# Altium PCB CF_PCB.PcbDoc (part 1 of 2) (continued)
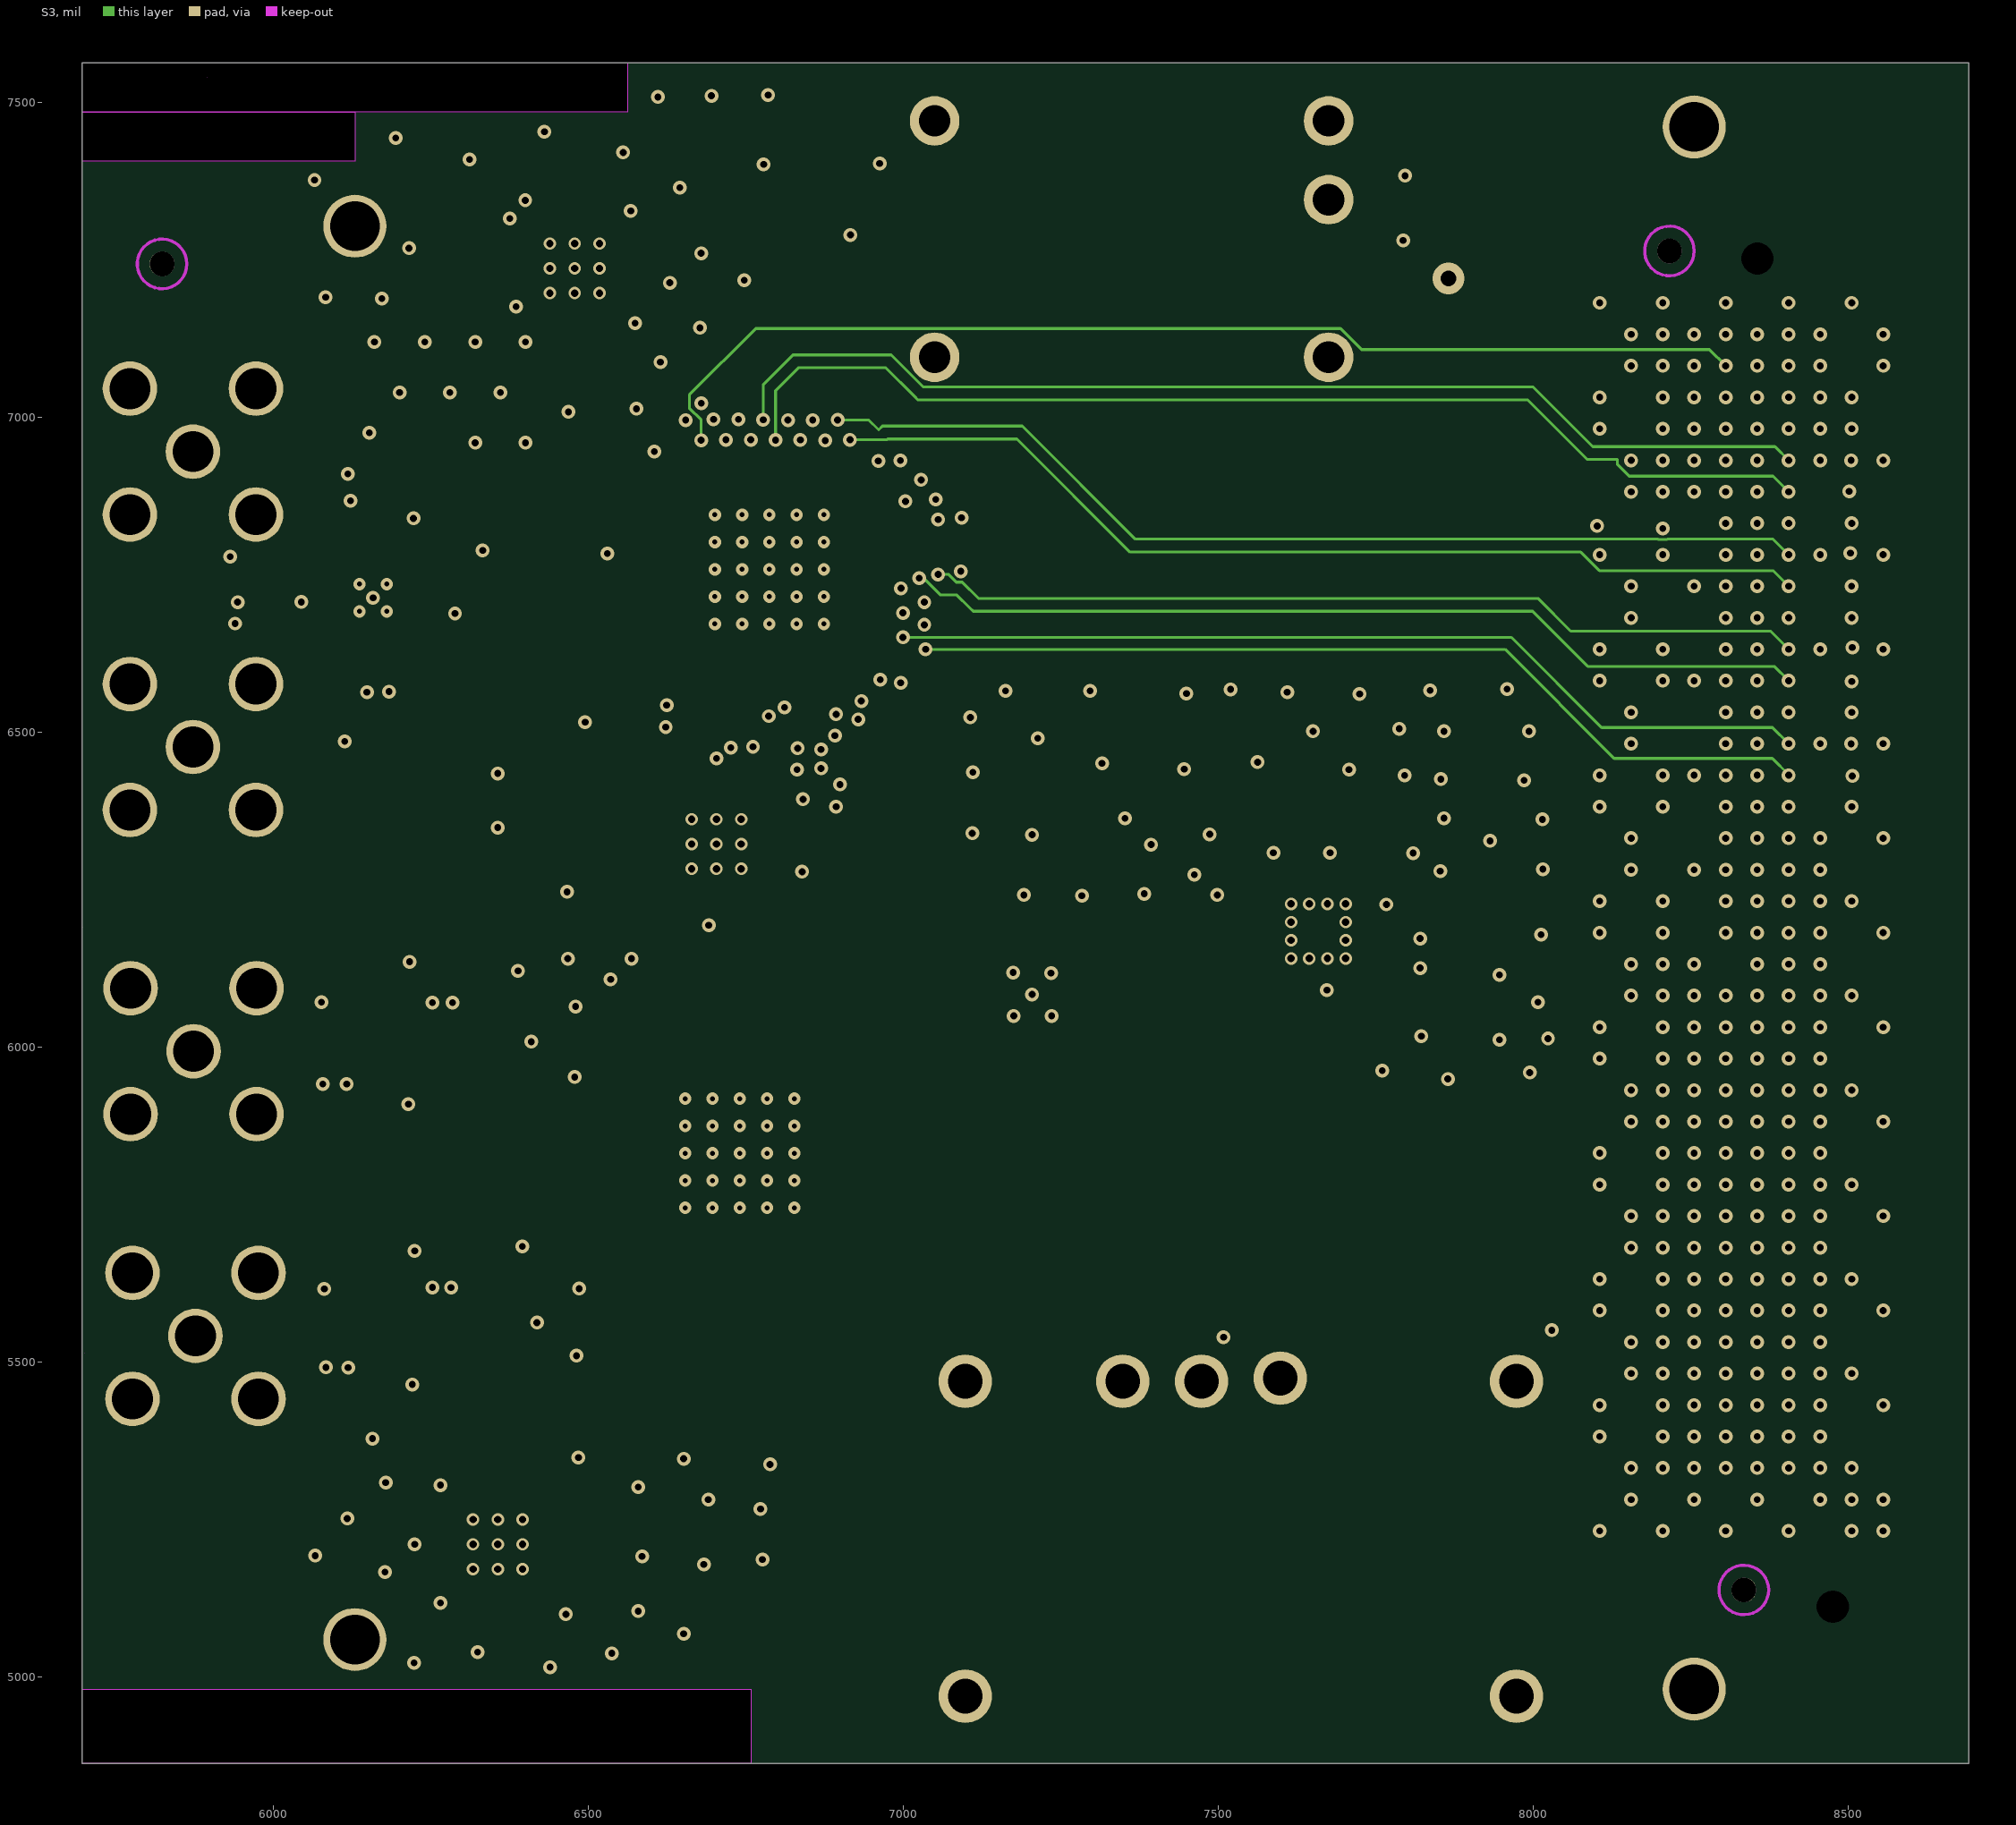
[diagram p8: S3]
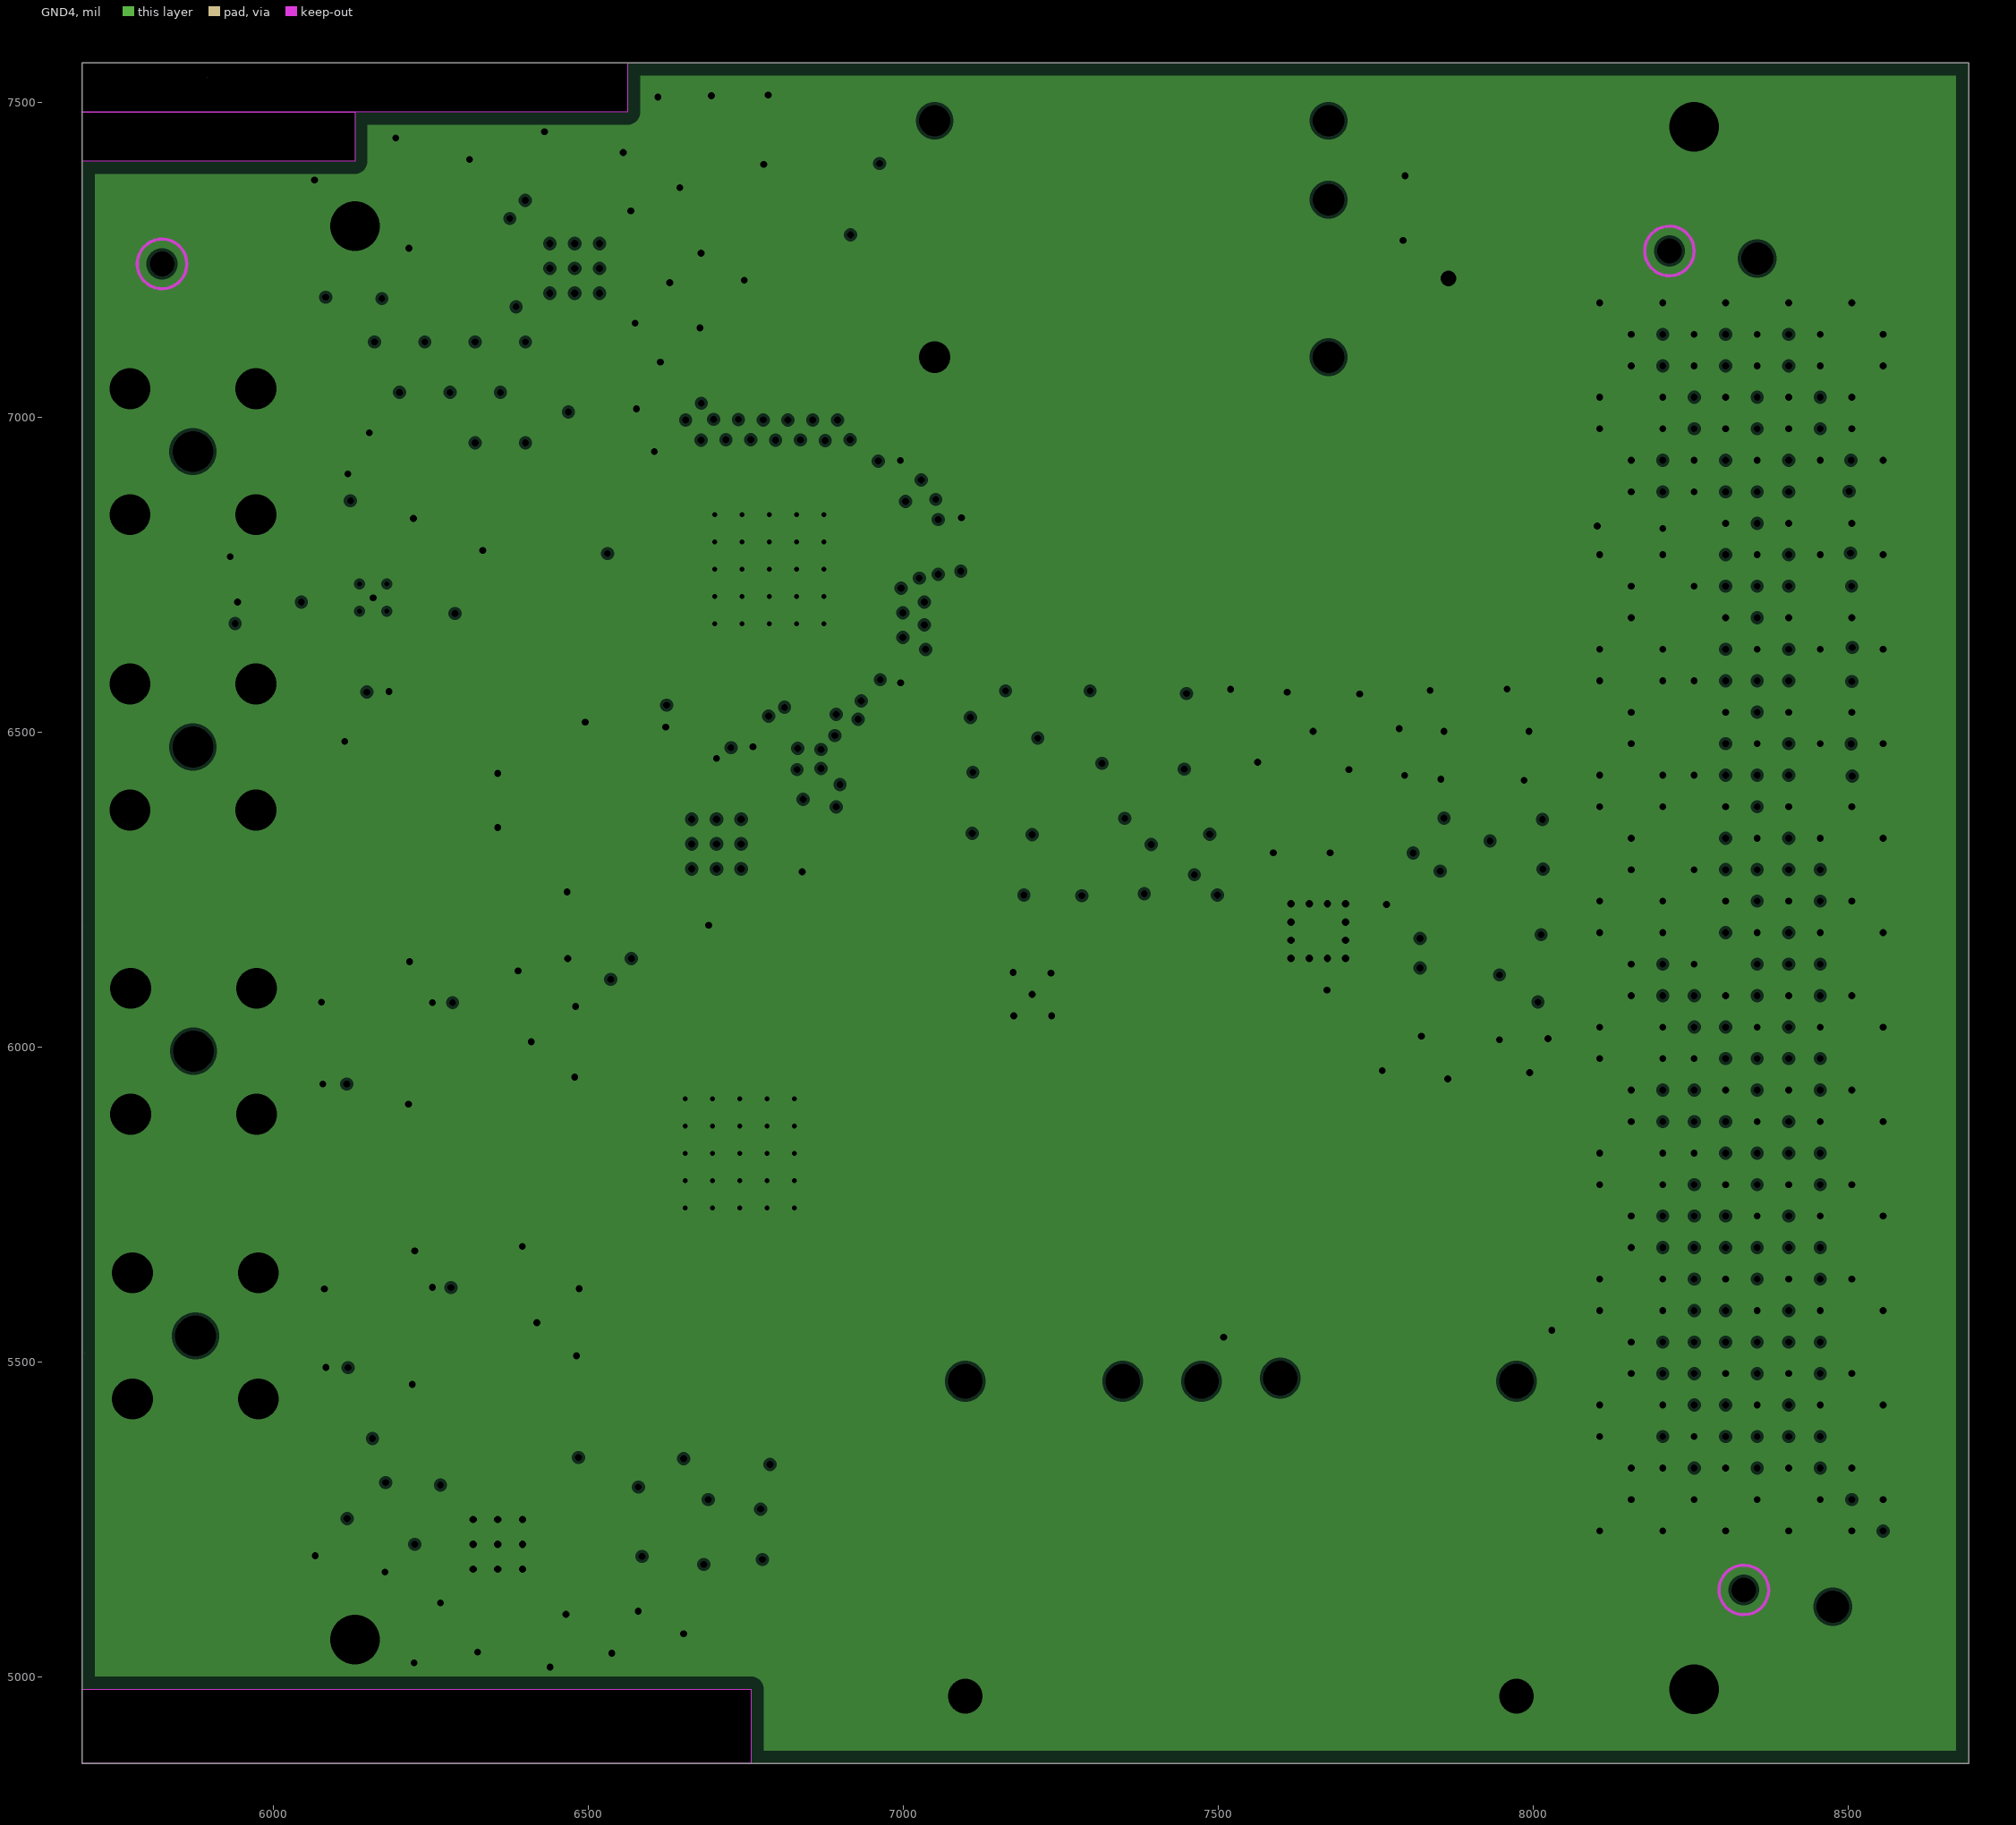
[diagram p9: GND4, clearances drawn from the general rule]

## Layer stack, top to bottom
Top Solder: solder mask 0.4, Solder Resist, Dk 3.5
S1: signal copper 1.4
Dielectric 1: core 5.5, FR-4, Dk 4.6
GND1: plane copper 1.4, net GND
Dielectric 16: prepreg 7, FR-4, Dk 4.6
S2: signal copper 1.4
Dielectric 21: core 5.5, FR-4, Dk 4.6
GND2: plane copper 1.4, net GND
Dielectric 19: prepreg 2.5, FR-4, Dk 4.6
1V8: plane copper 1.4, net 1V8
Dielectric 20: core 6, FR-4, Dk 4.6
SplittedPower: plane copper 1.4, net (Multiple Nets)
Dielectric 23: prepreg 2.5, FR-4, Dk 4.6
GND3: plane copper 1.4, net GND
Dielectric 24: core 5.5, Dk 4.6
S3: signal copper 1.4
Dielectric 22: prepreg 7, FR-4, Dk 4.6
GND4: plane copper 1.4, net GND
Dielectric 18: core 5.5, FR-4, Dk 4.6
S4: signal copper 1.4
Bottom Solder: solder mask 0.4, Solder Resist, Dk 3.5

## Board outline
5696,4863 8691,4863 8691,7563 5696,7563
cut-out: 5696,4981 6758,4981 6758,4863 5696,4863
cut-out: 5697,6191
cut-out: 5700,5515
cut-out: 5696,7485 5696,7563 6562,7563 6562,7485
cut-out: 5696,7407 5696,7485 6129,7485 6129,7407
cut-out: 5894,7540
cut-out: 0,4000

## Design rules (kind name [scope] priority, off if disabled: settings)
Clearance Clearance_2 [All] p1: gap=4 ignorepadtopadclearanceinfootprint=FALSE except(0: Arc-Hole Track-Hole SMDPad-Hole THPad-Hole Via-Hole Fill-Hole Poly-Hole Region-Hole Text-Hole)
Clearance Clearance_FMC [WithinRoom('FMC')] p2: gap=4 ignorepadtopadclearanceinfootprint=FALSE
Clearance [All] p3: gap=4 ignorepadtopadclearanceinfootprint=FALSE except(0: Arc-Hole Track-Hole SMDPad-Hole THPad-Hole Via-Hole Fill-Hole Poly-Hole Region-Hole Text-Hole)
DiffPairsRouting [All] p1: maxlimit=20 minlimit=4 mostfreqgap=16 toplayer_minwidth=3 toplayer_maxwidth=15 toplayer_prefwidth=8 midlayer1_minwidth=3 midlayer1_maxwidth=15 midlayer1_prefwidth=4.5 midlayer2_minwidth=3 midlayer2_maxwidth=15 midlayer2_prefwidth=4.5 bottomlayer_minwidth=3 bottomlayer_maxwidth=15 bottomlayer_prefwidth=8 maxuncoupledlength=500
FanoutControl [WithinRoom('FMC')] p1: bgadir=Out bgaviamode=Centered fanoutstyle=Staggered fanoutdirection=InOnly viagrid=1
FanoutControl Fanout_BGA [IsBGA] p2: bgadir=Out bgaviamode=Centered fanoutstyle=Auto fanoutdirection=Alternating viagrid=1 // Fanout_BGA (Default Rule)
FanoutControl Fanout_Default [All] p3: bgadir=NW bgaviamode=Centered fanoutstyle=BGA fanoutdirection=Alternating viagrid=1 // Fanout_Default (Default Rule)
HoleSize [All] p1: absolutevalues=TRUE maxlimit=100 minlimit=3 maxpercent=80.000 minpercent=20.000
MinimumSolderMaskSliver [All] p1: minsoldermaskwidth=5
PlaneClearance [All] p1: clearance=5
PlaneConnect [All] p1: pad.planeconnectstyle=Relief pad.reliefexpansion=5 pad.reliefentries=4 pad.reliefconductorwidth=5 pad.reliefairgap=5 via.planeconnectstyle=Direct via.reliefexpansion=5 via.reliefentries=4 via.reliefconductorwidth=5 via.reliefairgap=5
PolygonConnect [All] p1: connectstyle=Direct reliefconductorwidth=10 reliefentries=4 polygonreliefangle="90 Angle" airgapwidth=10
RoutingVias RoutingVias_1 [WithinRoom('FMC')] p1: holewidth=11 width=22 viastyle="Through Hole" minholewidth=11 minwidth=22 maxholewidth=11 maxwidth=22
RoutingVias [All] p2: holewidth=11 width=22 viastyle="Through Hole" minholewidth=4 minwidth=12 maxholewidth=50 maxwidth=50
SilkToSilkClearance [All] p1: silktosilkclearance=0
SilkToSolderMaskClearance [IsPad] p1: minsilkscreentomaskgap=3 clearancetoexposedcopper=FALSE
SolderMaskExpansion [All] p1: expansion=4
Width Width_FMC [WithinRoom('FMC')] p1: maxlimit=50 minlimit=3 preferedwidth=9 midlayer1_prefwidth=4.5 midlayer2_prefwidth=4.5 minimp=50.000000 maximp=50.000000 favimp=50.000000
Width [All] p2: maxlimit=50 minlimit=3 preferedwidth=9 midlayer1_prefwidth=4.5 midlayer2_prefwidth=4.5 minimp=50.000000 maximp=50.000000 favimp=50.000000
18 further rules are at their usual default settings.

## Classes and differential pairs
component class CF_Title: FID1 FID2 MH1 MH2 MH3
component class CF_FMC_ABC: R66
component class CF_DAC: C65 C66 C67 C68 C69 C70 C71 C72 C73 C74 C75 C76 C77 C78 C79 C80 C81 L7 R30 R31 R32 R33 R34 R35 R36 R37 R38 R39 R40 R41 R42 R43 R44 R45 R46 R47 R48 R49 U9
component class CF_DAC_FILTER: C82 C83 C84 C85 C86 C87 C88 C89 C90 C91 C92 C93 C94 C95 C96 C97 C98 C99 C100 C101 C102 C103 C104 C105 J3 J4 L8 L9 L10 L11 R50 R51 R52 R53 R54 R55 R56 R57 R58 R59 R60 R61 R62 R63 R64 R65 U10 U11
component class CF_ALIM: C44 C45 C46 C47 C48 C49 C50 C51 C52 C53 C54 C55 C56 C57 C58 C59 C60 C61 C62 C63 C64 R21 R22 R25 R26 R27 R28 R29 U3 U4 U5 U6 U7 U8
component class CF_ADC: C1 C2 R1 R2 R3 R4 R5 R6 U1
component class CF_ADC_Supply: C27 C28 C29 C30 C31 C32 C34 C35 C36 C37 C38 C39 C40 C41 C42 C43 L5
component class CF_ADC_filter: C3 C4 C5 C6 C7 C8 C9 C10 C11 C12 C13 C14 C15 C16 C17 C18 C19 C20 C21 C22 C23 C24 C25 C26 J1 J2 L1 L2 L3 L4 R7 R8 R9 R10 R11 R12 R13 R14 R15 R16 R17 R18 R19 R20 U2
differential pair REFCLK: +REFCLK_P -REFCLK_N
differential pair DAC_OUT1: +DAC_OUT1_P -DAC_OUT1_N
differential pair DAC_OUT0: +DAC_OUT0_P -DAC_OUT0_N
differential pair DAC_FRAME: +DAC_FRAME_P -DAC_FRAME_N
differential pair DAC_DCI: +DAC_DCI_P -DAC_DCI_N
differential pair DAC_D7: +DAC_D7_P -DAC_D7_N
differential pair DAC_D6: +DAC_D6_P -DAC_D6_N
differential pair DAC_D5: +DAC_D5_P -DAC_D5_N
differential pair DAC_D4: +DAC_D4_P -DAC_D4_N
differential pair DAC_D3: +DAC_D3_P -DAC_D3_N
differential pair DAC_D2: +DAC_D2_P -DAC_D2_N
differential pair DAC_D1: +DAC_D1_P -DAC_D1_N
differential pair DAC_D0: +DAC_D0_P -DAC_D0_N
differential pair CDCE_CLK_200M: +CDCE_CLK_200M_P -CDCE_CLK_200M_N
differential pair ADC_IN1: +ADC_IN1_P -ADC_IN1_N
differential pair ADC_IN0: +ADC_IN0_P -ADC_IN0_N
differential pair ADC_DCLK: +ADC_DCLK_P -ADC_DCLK_N
differential pair ADC_B_DATA12: +ADC_B_DATA12_P -ADC_B_DATA12_N
differential pair ADC_B_DATA10: +ADC_B_DATA10_P -ADC_B_DATA10_N
differential pair ADC_B_DATA8: +ADC_B_DATA8_P -ADC_B_DATA8_N
differential pair ADC_B_DATA6: +ADC_B_DATA6_P -ADC_B_DATA6_N
differential pair ADC_B_DATA4: +ADC_B_DATA4_P -ADC_B_DATA4_N
differential pair ADC_B_DATA2: +ADC_B_DATA2_P -ADC_B_DATA2_N
differential pair ADC_B_DATA0: +ADC_B_DATA0_P -ADC_B_DATA0_N
differential pair ADC_A_DATA12: +ADC_A_DATA12_P -ADC_A_DATA12_N
differential pair ADC_A_DATA10: +ADC_A_DATA10_P -ADC_A_DATA10_N
differential pair ADC_A_DATA8: +ADC_A_DATA8_P -ADC_A_DATA8_N
differential pair ADC_A_DATA6: +ADC_A_DATA6_P -ADC_A_DATA6_N
differential pair ADC_A_DATA4: +ADC_A_DATA4_P -ADC_A_DATA4_N
differential pair ADC_A_DATA2: +ADC_A_DATA2_P -ADC_A_DATA2_N
differential pair ADC_A_DATA0: +ADC_A_DATA0_P -ADC_A_DATA0_N

## Components (designator, comment, footprint, x,y, rotation, side; value= is the part's Value field where it differs from the comment)
C1 "CAP - 0402" CAP_0402 6547.5,6757 r180 top value=0.1u
C2 "CAP - 0402" CAP_0402 6547.5,6721 r180 top value=0.1u
C3 "CAP - 0402" CAP_0402 5838,6689.89 r270 top value=10uF
C4 "CAP - 0402" CAP_0402 5873,6690.5 r270 top value="1 uF"
C5 "CAP - 0402" CAP_0402 5908,6690.5 r270 top value=22nF
C6 "CAP - 0402" CAP_0402 5986.5,6671 r0 top value=1nF
C7 "CAP - 0402" CAP_0402 5994,6707 r0 top value=330pF
C8 "CAP - 0402" CAP_0402 6222,6923.5 r270 top value=10uF
C9 "CAP - 0402" CAP_0402 6187,6923.5 r270 top value="1 uF"
C10 "CAP - 0402" CAP_0402 6152,6923.5 r270 top value=22nF
C11 "CAP - 0402" CAP_0402 6174.5,6868 r180 top value=1nF
C12 "CAP - 0402" CAP_0402 6174.5,6832.21 r180 top value=330pF
C13 "CAP - 0402" CAP_0402 6165.66,6421 r180 top value=10uF
C14 "CAP - 0402" CAP_0402 6165.66,6458 r180 top value="1 uF"
C15 "CAP - 0402" CAP_0402 6165.66,6495 r180 top value=22nF
C16 "CAP - 0402" CAP_0402 6165.66,6532 r180 top value=1nF
C17 "CAP - 0402" CAP_0402 6165.66,6597 r180 top value=330pF
C18 "CAP - 0402" CAP_0402 6427,6738.5 r270 top value=10uF
C19 "CAP - 0402" CAP_0402 6392,6738.5 r270 top value="1 uF"
C20 "CAP - 0402" CAP_0402 6357,6738.5 r270 top value=22nF
C21 "CAP - 0402" CAP_0402 6322,6738.5 r270 top value=1nF
C22 "CAP - 0402" CAP_0402 6287,6738.5 r270 top value=330pF
C23 "CAP - 0402" CAP_0402 6265,6836.5 r90 top value=7p
C24 "CAP - 0402" CAP_0402 6299,6812.5 r270 top value=7p
C25 "CAP - 0402" CAP_0402 6280,6640 r90 top value=7p
C26 "CAP - 0402" CAP_0402 6239,6586 r180 top value=7p
C27 "CAP - 0805" CAP_0805 6441.5,6349 r0 top value=22u
C28 "CAP - 0603" CAP_0603 6524,6566 r0 top value=10u
C29 "CAP - 0402" CAP_0402 6622,7014 r0 top value=100n
C30 "CAP - 0402" CAP_0402 6622,6979 r0 top value=1.5n
C31 "CAP - 0402" CAP_0402 6691.05,6525.5 r90 top value=100n
C32 "CAP - 0402" CAP_0402 6655.05,6526 r90 top value=1.5n
C34 "CAP - 0603" CAP_0603 7127,6798 r270 top value=10u
C35 "CAP - 0402" CAP_0402 7074,6800 r270 top value=1u
C36 "CAP - 0402" CAP_0402 7038,6799.5 r270 top value=100n
C37 "CAP - 0402" CAP_0402 7002,6799.5 r270 top value=1.5n
C38 "CAP - 0402" CAP_0402 6978,6552 r180 top value=100n
C39 "CAP - 0402" CAP_0402 6978.5,6517 r180 top value=1.5n
C40 "CAP - 0402" CAP_0402 6743.5,6508 r180 top value=100n
C41 "CAP - 0402" CAP_0402 6743.69,6543 r180 top value=1.5n
C42 "CAP - 0402" CAP_0402 6977,7002 r180 top value=100n
C43 "CAP - 0402" CAP_0402 6977.5,6967 r180 top value=1.5n
C44 "CAP - TANTALUM - CASE D" CAP_TAN_2917(D) 7923,6329.67 r90 top value=220u
C45 "CAP - 0805" CAP_0805 7882,6050.5 r90 top value=47u
C46 "CAP - 0402" CAP_0402 7820,6072 r90 top value=1u
C47 "MAL215099101E3" CapacitorE 6875.58,5161 r90 top value=100uF
C48 "CAP - 0805" CAP_0805 7479,6441.9 r180 top value=47u
C49 "CAP - TANTALUM - CASE D" CAP_TAN_2917(D) 7204,6211 r270 top value=220u
C50 "CAP - 0603" CAP_0603 7999,5589 r180 top value=2.2u
C51 "MAL215099101E3" CapacitorE 7910,7368 r90 top value=100uF
C52 "CAP - 0402" CAP_0402 7760,7371.5 r270 top value=4.7u
C53 "CAP - 0402" CAP_0402 7760,7301 r90 top value=4.7u
C54 "MAL215099101E3" CapacitorE 7910,7074 r90 top value=100uF
C55 "CAP - 0402" CAP_0402 6796,6476 r270 top value=10u
C56 "CAP - 0402" CAP_0402 6843,6331 r90 top value=1u
C57 "CAP - 0805" CAP_0805 6441.5,6435 r0 top value=47uF
C58 "CAP - 0402" CAP_0402 6398.5,7377 r0 top value=10u
C59 "CAP - 0402" CAP_0402 6485.5,7080 r180 top value=10n
C60 "CAP - 1206" CAP_1206 6304.82,7254 r270 top value=47u
C61 "CAP - 0402" CAP_0402 6470.5,7377 r180 top value=1u
C62 "CAP - 0402" CAP_0402 6394,5350 r0 top value=10u
C63 "CAP - 0402" CAP_0402 6495,5219.09 r90 top value=1u
C64 "CAP - 0805" CAP_0805 6287,5374 r180 top value=47uF
C65 "CAP - 0402" CAP_0402 7074.5,5723 r0 top value=330pF
C66 "CAP - 0402" CAP_0402 6727,5586 r0 top value=47nF
C67 "CAP - 0402" CAP_0402 6727,5621 r0 top value=330pF
C68 "CAP - 0402" CAP_0402 6687,6014 r180 top value=47nF
C69 "CAP - 0402" CAP_0402 6689,6049 r180 top value=330pF
C70 "CAP - 0402" CAP_0402 7073.5,5608 r0 top value=47nF
C71 "CAP - 0402" CAP_0402 7073.5,5681.5 r0 top value=10uF
C72 "CAP - 0402" CAP_0402 7073.5,5645.5 r0 top value=22uF
C73 "CAP - 0402" CAP_0402 6517.5,6247 r0 top value=22uF
C74 "CAP - 0402" CAP_0402 6497,5827 r180 top value=330pF
C75 "CAP - 0402" CAP_0402 6497,5866 r180 top value=47nF
C76 "CAP - 0402" CAP_0402 6517.5,6141 r0 top value=10uF
C77 "CAP - 0402" CAP_0402 6553,5608 r90 top value=330pF
C78 "CAP - 0402" CAP_0402 6590,5608 r90 top value=47nF
C79 "CAP - 0402" CAP_0402 6627,5608 r90 top value=10uF
C80 "CAP - 0402" CAP_0402 6664,5608 r90 top value=22uF
C81 "CAP - 0402" CAP_0402 6392,5818 r90 top value=0.1uF
C82 "CAP - 0402" CAP_0402 6171,5429 r180 top value=10uF
C83 "CAP - 0402" CAP_0402 6099.5,5394 r0 top value="1 uF"
C84 "CAP - 0402" CAP_0402 6100.1,5429 r0 top value=22nF
C85 "CAP - 0402" CAP_0402 6171,5464 r180 top value=1nF
C86 "CAP - 0402" CAP_0402 6100,5464 r0 top value=330pF
C87 "CAP - 0402" CAP_0402 6345,5718 r180 top value=10uF
C88 "CAP - 0402" CAP_0402 6274,5718 r0 top value="1 uF"
C89 "CAP - 0402" CAP_0402 6345,5683 r180 top value=22nF
C90 "CAP - 0402" CAP_0402 6274.5,5683 r0 top value=1nF
C91 "CAP - 0402" CAP_0402 6274.5,5648 r0 top value=330pF
C92 "CAP - 0402" CAP_0402 6093,5840 r0 top value=10uF
C93 "CAP - 0402" CAP_0402 6163.5,5875 r180 top value="1 uF"
C94 "CAP - 0402" CAP_0402 6093,5875 r0 top value=22nF
C95 "CAP - 0402" CAP_0402 6163.5,5910 r180 top value=1nF
C96 "CAP - 0402" CAP_0402 6093,5910 r0 top value=330pF
C97 "CAP - 0402" CAP_0402 6266.5,6171 r0 top value=10uF
C98 "CAP - 0402" CAP_0402 6337.5,6157 r180 top value="1 uF"
C99 "CAP - 0402" CAP_0402 6266.5,6136 r0 top value=22nF
C100 "CAP - 0402" CAP_0402 6337.5,6121.5 r180 top value=1nF
C101 "CAP - 0402" CAP_0402 6266.5,6101 r0 top value=330pF
C102 "CAP - 0201" CAP_0201 6418,5528 r270 top value=7pF
C103 "CAP - 0201" CAP_0201 6418,5599 r270 top value=7pF
C104 "CAP - 0201" CAP_0201 6409,5969.63 r270 top value=7pF
C105 "CAP - 0201" CAP_0201 6409,6048 r270 top value=7pF
FID1 "Fiducial 1mm" FID_1MM#1 5823,7244 r90 top
FID2 "Fiducial 1mm" FID_1MM#1 8215.68,7264.57 r90 top
FID3 "Fiducial 1mm" FID_1MM#2 8333.8,5138.59 r90 top
J1 "5-1814400-1" CONN_SMA_5-1814400-1 5872,6946 r90 top
J2 "5-1814400-1" CONN_SMA_5-1814400-1 5872,6477 r90 top
J3 "5-1814400-1" CONN_SMA_5-1814400-1 5876,5542 r90 top
J4 "5-1814400-1" CONN_SMA_5-1814400-1 5873,5994 r90 top
J5 "ASP-134488-01" CONN_SAMTEC_ASP-134488-01 8355.06,6182.21 r90 top
L1 "Inductor" 0402-A 6354.56,6883 r0 top value=2.2uH
L2 "Inductor" 0402-A 6353.31,6848.5 r0 top value=2.2uH
L3 "Inductor" 0402-A 6345,6657.5 r0 top value=2.2uH
L4 "Inductor" 0402-A 6345,6621 r0 top value=2.2uH
L5 "FER - 0603" FER_0603 6539,6470 r270 top value="0R2DC 600R@200M"
L7 "FER - 0402" FER_0402 6536,6193 r90 top value=600
L8 "Inductor" 0402-A 6385,5537 r90 top value=2.2uH
L9 "Inductor" 0402-A 6385,5622 r90 top value=2.2uH
L10 "Inductor" 0402-A 6374.25,5978.31 r90 top value=2.2uH
L11 "Inductor" 0402-A 6374.25,6063.19 r90 top value=2.2uH
MH1 "Mounting Hole 6-32" MH_ENG_6-32#1 6470,7264 r0 top
MH2 "Mounting Hole 6-32" MH_ENG_6-32#2 7660,7423 r0 top
MH3 "Mounting Hole 6-32" MH_ENG_6-32#3 6368,5155 r0 top
MH4 "Mounting Hole 6-32" MH_ENG_6-32#4 7728,5053 r0 top
R1 "RES - 0402" RES_0402 6493.5,6739 r90 top value=100
R2 "RES - 0402" RES_0402 7048,6930 r180 top value=22
R3 "RES - 0402" RES_0402 6464.5,6883.5 r180 top value=10R
R4 "RES - 0402" RES_0402 6464.5,6848.5 r180 top value=10R
R5 "RES - 0402" RES_0402 6454,6657.5 r180 top value=10R
R6 "RES - 0402" RES_0402 6454,6622.5 r180 top value=10R
R7 "RES - 0402" RES_0402 6102.61,6832 r180 top value=357R
R8 "RES - 0402" RES_0402 6411,6866 r90 top value=600
R9 "RES - 0402" RES_0402 6046,6929 r90 top value=348R
R10 "RES - 0402" RES_0402 6000,6761.5 r270 top value=348R
R11 "RES - 0402" RES_0402 6084,6928 r90 top value=56.2R
R12 "RES - 0402" RES_0402 6036,6761.5 r90 top value=357R
R13 "RES - 0402" RES_0402 5964,6761.5 r270 top value=26.7
R14 "RES - 0402" RES_0402 6040,6653.5 r270 top value=357R
R15 "RES - 0402" RES_0402 6401,6640 r90 top value=600
R16 "RES - 0402" RES_0402 6040,6530.5 r270 top value=348R
R17 "RES - 0402" RES_0402 6093.97,6554 r0 top value=348R
R18 "RES - 0402" RES_0402 6057,6477 r180 top value=56.2R
R19 "RES - 0402" RES_0402 6094.57,6590 r180 top value=357R
R20 "RES - 0402" RES_0402 6093.97,6518 r0 top value=26.7
R21 "RES - 0402" RES_0402 7605,6419.9 r0 top value=348k
R22 "RES - 0402" RES_0402 7809,6255.4 r90 top value=1.15k
R25 "RES - 0402" RES_0402 7490.5,5576 r180 top value=16k4
R26 "RES - 0402" C2512 6818.57,7290 r180 top value=100
R27 "RES - 0402" RES_0402 6962,7454.5 r90 top value=17.3k
R28 "RES - 0402" RES_0402 6485.5,7045 r180 top value=332k
R29 "RES - 0402" RES_0402 6538.5,7063 r270 top value=102k
R30 "RES - 0402" RES_0402 6810,6113 r0 top value=100
R31 "RES - 0402" RES_0402 6904,6119 r0 top value=100
R32 "RES - 0402" RES_0402 7021,6104 r270 top value=100
R33 "RES - 0402" RES_0402 7013,6014 r270 top value=100
R34 "RES - 0402" RES_0402 6491,5566.5 r270 top value=1K
R35 "RES - 0402" RES_0402 7014,5758 r270 top value=100
R36 "RES - 0402" RES_0402 7004,5603 r270 top value=100
R37 "RES - 0402" RES_0402 6590,6093 r90 top value=1K
R38 "RES - 0402" RES_0402 6661,6093 r90 top value=1K
R39 "RES - 0402" RES_0402 6625.5,6093 r90 top value=1K
R40 "RES - 0402" RES_0402 6914,5600 r180 top value=100
R41 "RES - 0402" RES_0402 6483,6010.5 r270 top value=1K
R42 "RES - 0402" RES_0402 6808,5595 r180 top value=100
R43 "RES - 0402" RES_0402 7010,5836 r270 top value=100
R44 "RES - 0402" RES_0402 6504,5787 r0 top value=10K
R45 "RES - 0402" RES_0402 6594,5539 r0 top value=8k
R46 "RES - 0402" RES_0402 7012,5922 r270 top value=1K
R47 "RES - 0402" RES_0402 6653,5519 r90 top value=100
R48 "RES - 0402" RES_0402 6760,5523 r180 top value=100
R49 "RES - 0402" RES_0402 6594,5499 r0 top value=5k
R50 "RES - 0402" RES_0402 6334,5462 r0 top value=150R
R51 "RES - 0402" RES_0402 6348,5538 r90 top value=150R